# KiCad board Rotonometron_PCB.kicad_pcb (continued)
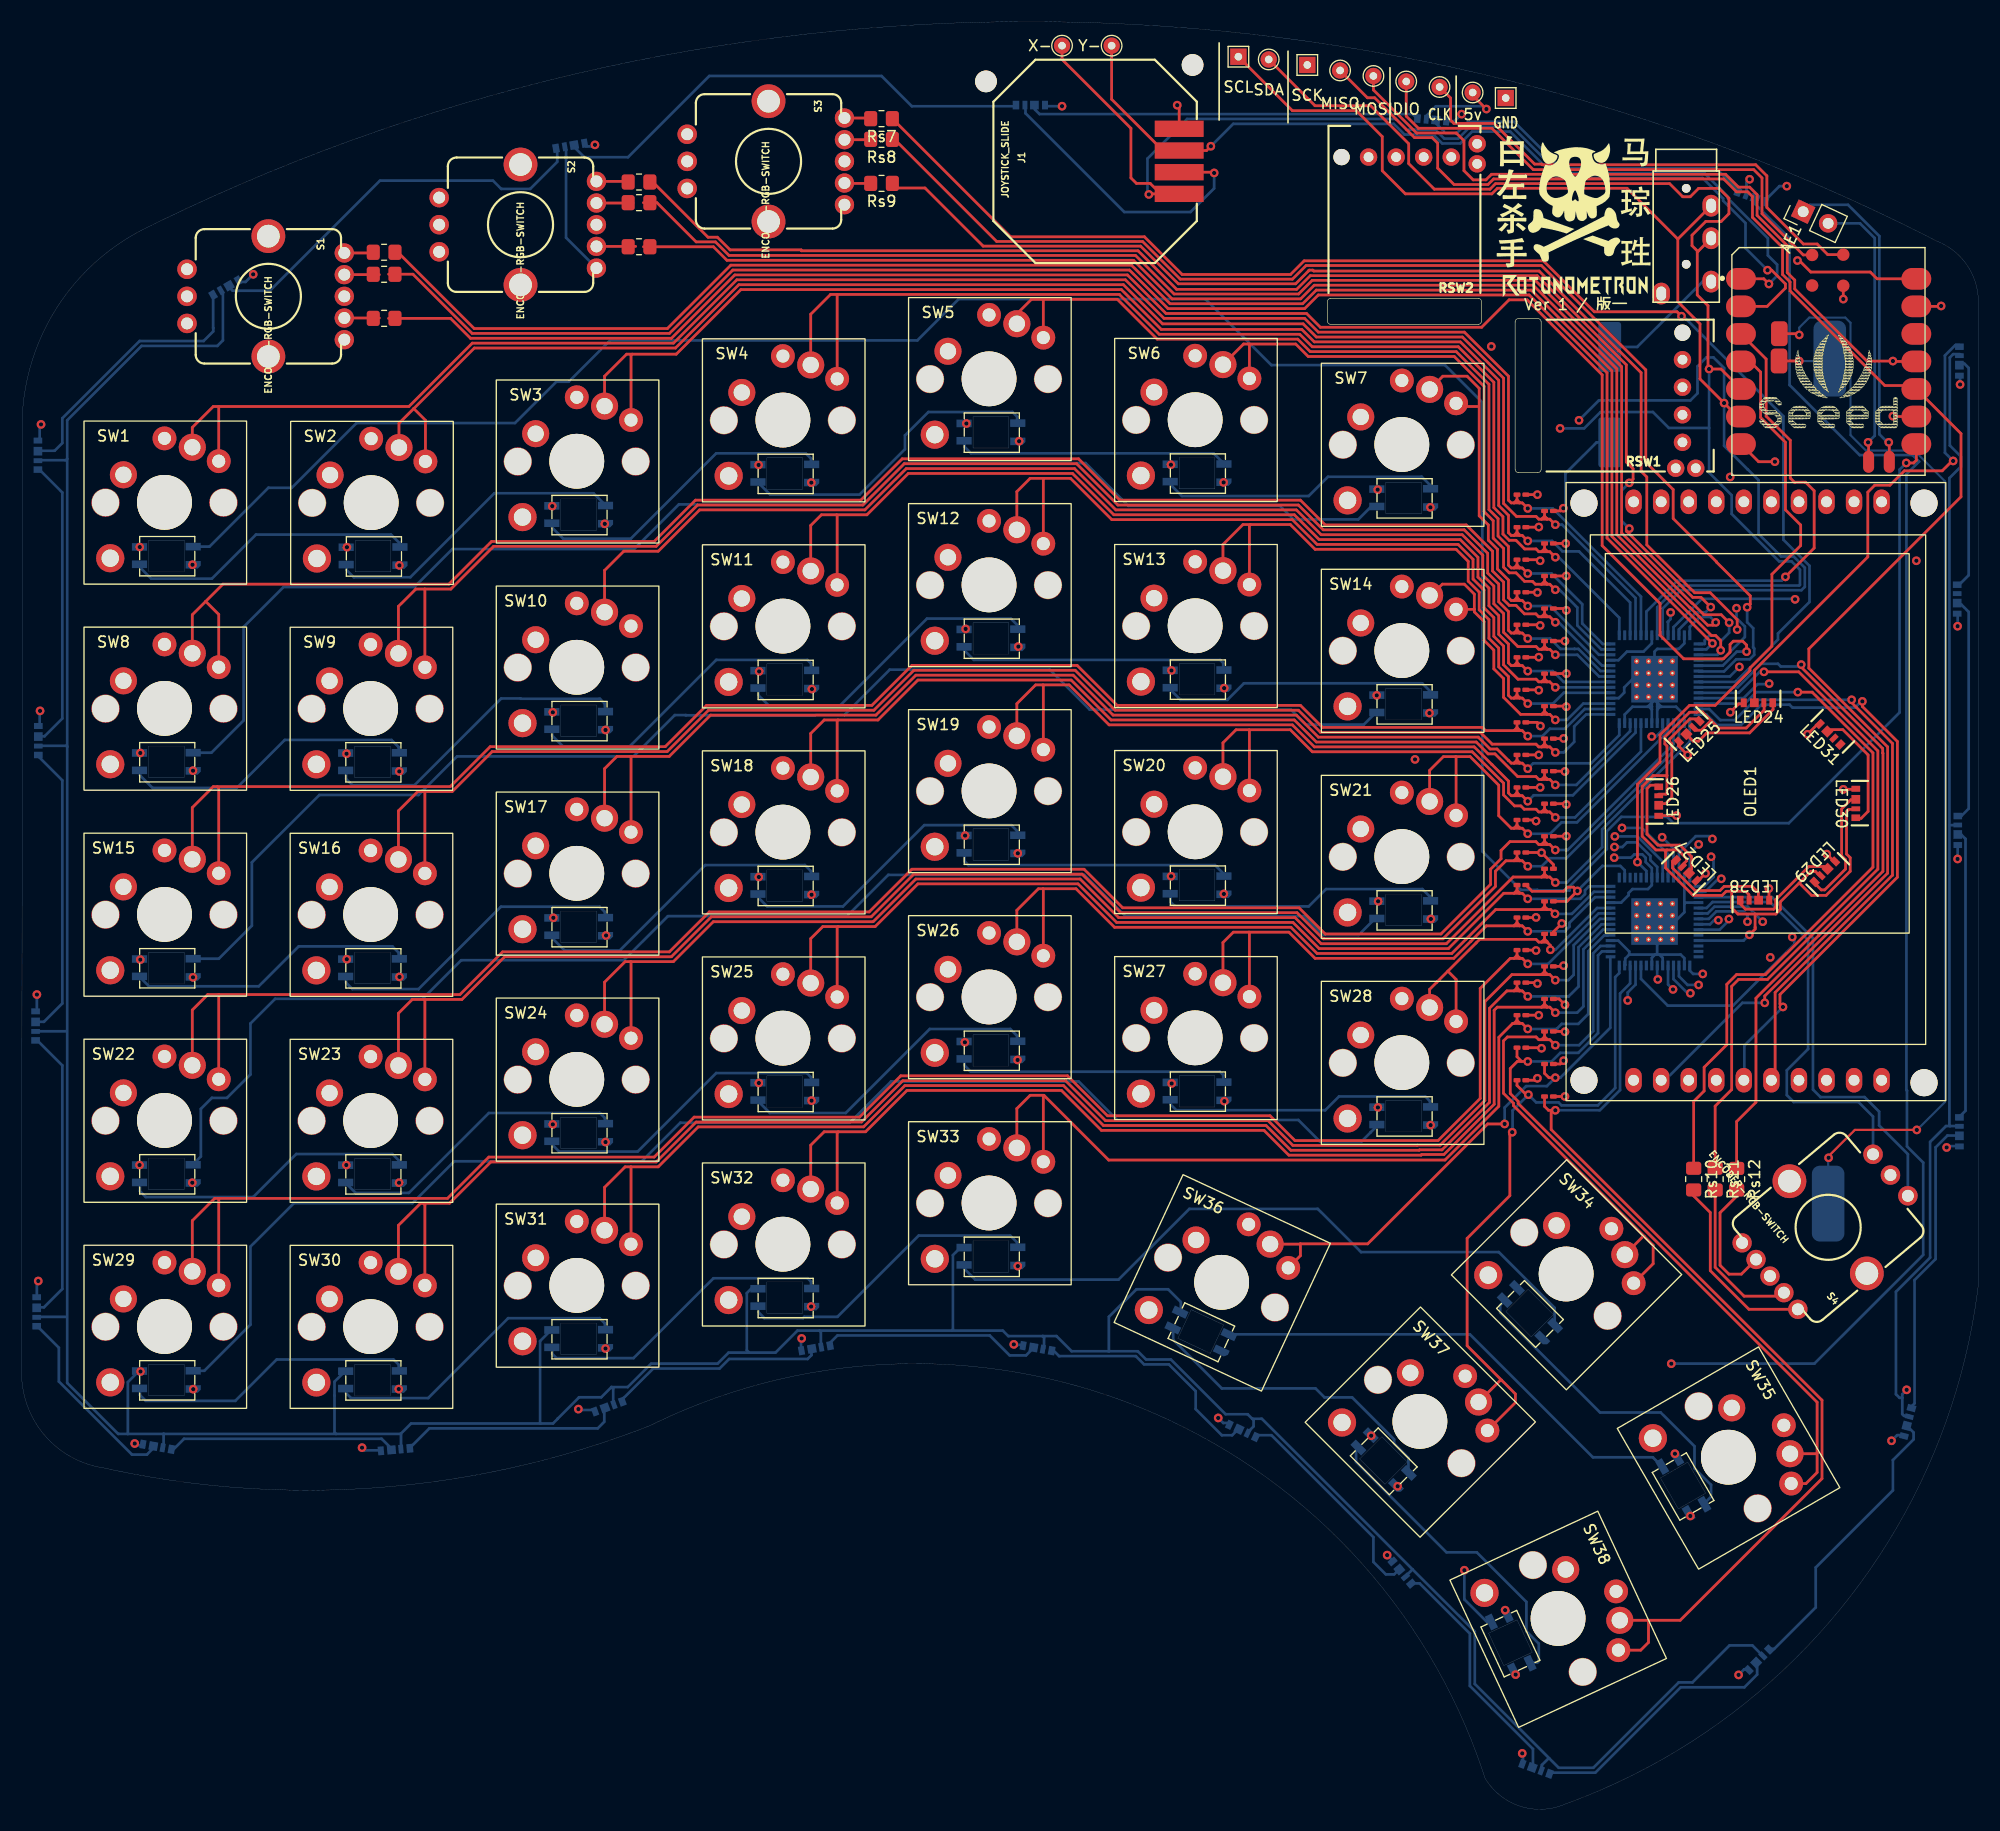
[diagram p0: board, top side]
## Nets
GND: C1.2 GND.1 J1.GND LED1.1 LED2.1 LED3.1 LED4.1 LED5.1 LED6.1 LED7.1 LED8.1 LED9.1 LED10.1 LED11.1 LED12.1 LED13.1 LED14.1 LED15.1 LED16.1 LED17.1 LED18.1 LED19.1 LED20.1 LED21.1 LED22.1 LED23.1 LED24.1 LED25.1 LED26.1 LED27.1 LED28.1 LED29.1 LED30.1 LED31.1 OLED1.10 R1.1 R2.1 R3.1 R4.1 R5.1 R6.1 R7.1 R8.1 R9.1 R10.1 R11.1 R12.1 R13.1 R14.1 R15.1 R16.1 R17.1 R18.1 R19.1 R20.1 R21.1 R22.1 R23.1 R24.1 R25.1 R26.1 R27.1 R28.1 R29.1 R30.1 R31.1 R32.1 R33.1 R34.1 R35.1 R36.1 R37.1 R38.1 RSW1.C RSW2.C S1.C S2.C S3.C S4.C TRRS1.S U1.4 U1.16 U1.21 U1.22 U1.27 U1.32 U1.44 U1.55 U1.57 U2.4 U2.16 U2.20 U2.22 U2.27 U2.32 U2.44 U2.55 U2.57 U3.13 U3.20
Bat +: BT1.+ U3.22
Bat -: BT1.- U3.21
BL: OLED1.9 U1.52
BUSPWR: 5v.1 C1.1 J1.VCC LED1.3 LED2.3 LED3.3 LED4.3 LED5.3 LED6.3 LED7.3 LED8.3 LED9.3 LED10.3 LED11.3 LED12.3 LED13.3 LED14.3 LED15.3 LED16.3 LED17.3 LED18.3 LED19.3 LED20.3 LED21.3 LED22.3 LED23.3 LED24.3 LED25.3 LED26.3 LED27.3 LED28.3 LED29.3 LED30.3 LED31.3 OLED1.1 RSW1.S2 RSW2.S2 S1.5 S2.5 S3.5 S4.5 SW1.1 SW1.3 SW2.1 SW2.3 SW3.1 SW3.3 SW4.1 SW4.3 SW5.1 SW5.3 SW6.1 SW6.3 SW7.1 SW7.3 SW8.1 SW8.3 SW9.1 SW9.3 SW10.1 SW10.3 SW11.1 SW11.3 SW12.1 SW12.3 SW13.1 SW13.3 SW14.1 SW14.3 SW15.1 SW15.3 SW16.1 SW16.3 SW17.1 SW17.3 SW18.1 SW18.3 SW19.1 SW19.3 SW20.1 SW20.3 SW21.1 SW21.3 SW22.1 SW22.3 SW23.1 SW23.3 SW24.1 SW24.3 SW25.1 SW25.3 SW26.1 SW26.3 SW27.1 SW27.3 SW28.1 SW28.3 SW29.1 SW29.3 SW30.1 SW30.3 SW31.1 SW31.3 SW32.1 SW32.3 SW33.1 SW33.3 SW34.1 SW34.3 SW35.1 SW35.3 SW36.1 SW36.3 SW37.1 SW37.3 SW38.1 SW38.3 TRRS1.T U1.11 U1.20 U1.39 U1.49 U2.11 U2.21 U2.39 U2.49 U3.14
CS-LD: OLED1.5 U1.14
CS-SD: OLED1.6 U1.13
D/C-LD: OLED1.7 U3.7
Int 1: U1.48 U3.3
Int 2: U2.48 U3.4
Joy X: J1.X U3.1 X-.1
Joy Y: J1.Y U3.2 Y-.1
LED control: U3.8
LEDOUT: LED31.4
MISO: MISO.1 OLED1.2 U3.10
MOSI: MOSI.1 OLED1.4 U3.11
OLED RST: OLED1.8 U1.53
Rot 0 A: S1.A U2.52
Rot 0 B: S1.B U2.53
Rot 0 G: Rs2.1 U1.2
Rot 0 R: Rs1.1 U1.3
Rot 0 U: Rs3.1 U1.5
Rot 1 A: S2.A U2.54
Rot 1 B: S2.B U2.56
Rot 1 G: Rs6.1 U1.56
Rot 1 R: Rs4.1 U1.54
Rot 1 U: Rs5.1 U1.1
Rot 2 A: S3.A U2.1
Rot 2 B: S3.B U2.2
Rot 2 G: Rs9.1 U1.7
Rot 2 R: Rs7.1 U1.8
Rot 2 U: Rs8.1 U1.6
Rot 3 A: S4.A U2.3
Rot 3 B: S4.B U2.5
Rot 3 G: Rs11.1 U1.10
Rot 3 R: Rs10.1 U1.12
Rot 3 U: Rs12.1 U1.9
Rot 4 A: RSW1.A U2.6
Rot 4 B: RSW1.B U2.7
Rot 5 A: RSW2.A U2.8
Rot 5 B: RSW2.B U2.9
RSw 0: S1.3 U2.15
RSw 1: S2.3 U2.17
RSw 2: S3.3 U2.18
RSw 3: S4.3 U2.19
RSw 4: RSW1.S1 U2.24
RSw 5: RSW2.S1 U2.25
SCK: OLED1.3 SCK.1 U3.9
SCL: SCL.1 TRRS1.R2 U1.51 U2.51 U3.6
SDA: SDA.1 TRRS1.R1 U1.50 U2.50 U3.5
Sw 1: R1.2 SW1.2 U1.47
Sw 2: R2.2 SW2.2 U1.46
Sw 3: R3.2 SW3.2 U1.45
Sw 4: R4.2 SW4.2 U1.43
Sw 5: R5.2 SW5.2 U1.42
Sw 6: R6.2 SW6.2 U1.41
Sw 7: R7.2 SW7.2 U1.40
Sw 8: R8.2 SW8.2 U1.38
Sw 9: R9.2 SW9.2 U1.37
Sw 10: R10.2 SW10.2 U1.36
Sw 11: R11.2 SW11.2 U1.35
Sw 12: R12.2 SW12.2 U1.34
Sw 13: R13.2 SW13.2 U1.33
Sw 14: R14.2 SW14.2 U1.31
Sw 15: R15.2 SW15.2 U1.30
Sw 16: R16.2 SW16.2 U1.29
Sw 17: R17.2 SW17.2 U1.28
Sw 18: R18.2 SW18.2 U1.26
Sw 19: R19.2 SW19.2 U1.25
Sw 20: R20.2 SW20.2 U1.24
Sw 21: R21.2 SW21.2 U1.19
Sw 22: R22.2 SW22.2 U1.18
Sw 23: R23.2 SW23.2 U1.17
Sw 24: R24.2 SW24.2 U1.15
Sw 25: R25.2 SW25.2 U2.42
Sw 26: R26.2 SW26.2 U2.41
Sw 27: R27.2 SW27.2 U2.40
Sw 28: R28.2 SW28.2 U2.38
Sw 29: R29.2 SW29.2 U2.37
Sw 30: R30.2 SW30.2 U2.36
Sw 31: R31.2 SW31.2 U2.35
Sw 32: R32.2 SW32.2 U2.34
Sw 33: R33.2 SW33.2 U2.33
Sw 34: R34.2 SW34.2 U2.31
Sw 35: R35.2 SW35.2 U2.30
Sw 36: R36.2 SW36.2 U2.29
Sw 37: R37.2 SW37.2 U2.28
Sw 38: R38.2 SW38.2 U2.26
SWCLK: CLK.1 U3.18
SWDIO: DIO.1 U3.17
Net-(AE1-Pad1): AE1.1 U3.16
Net-(AE1-Pad2): AE1.2 U3.15
Net-(LED1-Pad2): LED1.2
Net-(LED1-Pad4): LED1.4 LED2.2
Net-(LED2-Pad4): LED2.4 LED3.2
Net-(LED3-Pad4): LED3.4 LED4.2
Net-(LED4-Pad4): LED4.4 LED5.2
Net-(LED5-Pad4): LED5.4 LED6.2
Net-(LED6-Pad4): LED6.4 LED7.2
Net-(LED7-Pad4): LED7.4 LED8.2
Net-(LED8-Pad4): LED8.4 LED9.2
Net-(LED10-Pad2): LED9.4 LED10.2
Net-(LED10-Pad4): LED10.4 LED11.2
Net-(LED11-Pad4): LED11.4 LED12.2
Net-(LED12-Pad4): LED12.4 LED13.2
Net-(LED13-Pad4): LED13.4 LED14.2
Net-(LED14-Pad4): LED14.4 LED15.2
Net-(LED15-Pad4): LED15.4 LED16.2
Net-(LED16-Pad4): LED16.4 LED17.2
Net-(LED17-Pad4): LED17.4 LED18.2
Net-(LED18-Pad4): LED18.4 LED19.2
Net-(LED19-Pad4): LED19.4 LED20.2
Net-(LED20-Pad4): LED20.4 LED21.2
Net-(LED21-Pad4): LED21.4 LED22.2
Net-(LED22-Pad4): LED22.4 LED23.2
Net-(LED23-Pad4): LED23.4 LED24.2
Net-(LED24-Pad4): LED24.4 LED25.2
Net-(LED25-Pad4): LED25.4 LED26.2
Net-(LED26-Pad4): LED26.4 LED27.2
Net-(LED27-Pad4): LED27.4 LED28.2
Net-(LED28-Pad4): LED28.4 LED29.2
Net-(LED29-Pad4): LED29.4 LED30.2
Net-(LED30-Pad4): LED30.4 LED31.2
Net-(Rs1-Pad2): Rs1.2 S1.1
Net-(Rs2-Pad2): Rs2.2 S1.2
Net-(Rs3-Pad2): Rs3.2 S1.4
Net-(Rs4-Pad2): Rs4.2 S2.1
Net-(Rs5-Pad2): Rs5.2 S2.2
Net-(Rs6-Pad2): Rs6.2 S2.4
Net-(Rs7-Pad2): Rs7.2 S3.1
Net-(Rs8-Pad2): Rs8.2 S3.2
Net-(Rs9-Pad2): Rs9.2 S3.4
Net-(Rs10-Pad2): Rs10.2 S4.1
Net-(Rs11-Pad2): Rs11.2 S4.2
Net-(Rs12-Pad2): Rs12.2 S4.4

Pads without a net: OLED1 11 12 13 14 15 16 17 18 19 20; RSW1 D; RSW2 D; S1 M1 M2; S2 M1 M2; S3 M1 M2; S4 M1 M2; SW1 5v DIN DOUT GND; SW2 5v DIN DOUT GND; SW3 5v DIN DOUT GND; SW4 5v DIN DOUT GND; SW5 5v DIN DOUT GND; SW6 5v DIN DOUT GND; SW7 5v DIN DOUT GND; SW8 5v DIN DOUT GND; SW9 5v DIN DOUT GND; SW10 5v DIN DOUT GND; SW11 5v DIN DOUT GND; SW12 5v DIN DOUT GND; SW13 5v DIN DOUT GND; SW14 5v DIN DOUT GND; SW15 5v DIN DOUT GND; SW16 5v DIN DOUT GND; SW17 5v DIN DOUT GND; SW18 5v DIN DOUT GND; SW19 5v DIN DOUT GND; SW20 5v DIN DOUT GND; SW21 5v DIN DOUT GND; SW22 5v DIN DOUT GND; SW23 5v DIN DOUT GND; SW24 5v DIN DOUT GND; SW25 5v DIN DOUT GND; SW26 5v DIN DOUT GND; SW27 5v DIN DOUT GND; SW28 5v DIN DOUT GND; SW29 5v DIN DOUT GND; SW30 5v DIN DOUT GND; SW31 5v DIN DOUT GND; SW32 5v DIN DOUT GND; SW33 5v DIN DOUT GND; SW34 5v DIN DOUT GND; SW35 5v DIN DOUT GND; SW36 5v DIN DOUT GND; SW37 5v DIN DOUT GND; SW38 5v DIN DOUT GND; U1 23 ~; U2 10 12 13 14 23 43 45 46 47 ~; U3 12 19

## Via types
v1: diameter 0.8, hole 0.4, Top to Bottom, 256 vias

## Routing (per net, layer and track width the routed paths; a pad name or vN(x,y) marks a point on that pad's centre or on a via; arc(x,y) is an arc through that point)
GND: length 159.3
  Top w0.25: R23.1 140.06,88.23 v1(140.08,88.21) 141.18,87.12 R24.1 ; v1(139.83,103.2) 139.8,103.23 R13.1 ; v1(139.58,79.2) 139.54,79.23 R29.1 ; R14.1 142.31,101.73 v1(142.37,101.68) ; v1(142.24,95.71) 142.22,95.73 R18.1 ; v1(142.37,113.74) 142.36,113.73 R6.1 ; 165.46,100.01 v1(164.59,99.14) ; v1(139.58,91.14) 139.48,91.23 R21.1 ; v1(139.98,99.9) 139.69,100.19 139.69,100.23 R15.1 ; v1(142.24,71.7) 142.21,71.73 R34.1 ; v1(167.9,94.06) 167.9,94.06 168.92,94.06 ; R25.1 139.21,84.66 142.12,84.66 142.5,85.04 143.03,85.04 v1(143.39,84.69) 142.43,83.73 R26.1 ; R4.1 142.31,116.73 v1(142.31,116.73) ; R3.1 139.82,118.23 v1(139.83,118.25) ; v1(167.9,139.27) 167.89,139.27 U3.20 ; R31.1 139.62,76.23 v1(139.7,76.15) ; v1(153.55,97.23) 152.7,98.07 152.7,98.48 ; v1(142.24,74.19) 141.7,74.73 R32.1 ; v1(141.95,81.69) 141.18,80.92 R28.1 ; v1(161.04,84.91) 161.04,84.91 161.04,83.89 ; R20.1 142.29,92.73 v1(142.37,92.66) ; R35.1 140.03,70.23 v1(140.08,70.18) ; R9.1 139.89,109.23 v1(139.96,109.17) ; U3.13 176.88,138.6 v1(176.91,138.63) ; v1(142.09,119.98) 141.84,119.73 R2.1 ; v1(139.58,82.25) 139.56,82.23 R27.1 ; R22.1 142.37,89.73 v1(142.37,89.74) ; R7.1 139.69,112.23 v1(139.7,112.22) ; v1(139.7,67.41) 139.52,67.23 R37.1 ; v1(142.24,107.73) 142.24,107.73 R10.1 ; v1(142.12,77.8) 142.05,77.73 R30.1 ; R33.1 139.82,73.23 v1(139.83,73.23) ; 154.61,85.72 v1(155.2,86.31) ; R16.1 142.09,98.73 v1(142.12,98.76) ; v1(142.24,65.74) 142.24,65.73 R38.1 ; R11.1 139.82,106.23 v1(139.83,106.25) ; v1(157.48,101.17) 158.25,101.94 158.75,101.94 ; v1(142.37,110.57) 142.2,110.73 R8.1 ; J1.GND 106.69,156.97 v1(106.5,157.15) ; R1.1 v1(139.7,121.23) ; v1(142.37,104.73) 142.37,104.73 R12.1 ; v1(152.53,91.64) 150.99,91.64 ; 167.09,87.37 v1(166.37,88.09) ; v1(139.96,115.14) 139.86,115.23 R5.1 ; v1(142.12,69.04) 141.81,68.73 R36.1 ; v1(139.83,97.23) 139.83,97.23 R17.1 ; R19.1 v1(139.96,94.23)
  Bottom w0.25: 150.94,78.82 151.25,78.52 U2.20 ; v1(132.72,156.32) 132.07,155.67 131.29,155.67 ; 150.25,101.43 150.25,101.67 ; 150.25,101.43 U1.22 ; 150.25,101.43 150.24,101.43 149.93,101.74 ; 150.25,101.67 150.25,102.05 ; 150.25,101.67 150.24,101.68 149.87,101.68 ; U2.22 150.25,78.52 150.55,78.82 ; 149.87,101.68 150.5,102.3 151.13,101.68 ; 149.87,101.68 148.47,101.68 147.75,100.96 U1.27 ; 152.38,81.86 153.25,82.73 153.25,83.51 ; 71.83,42.52 71.83,43.37 v1(71.89,43.42) ; v1(1.53,48.72) 1.4,48.59 1.4,47.27 ; v1(51.31,36.91) 51.39,36.82 52.78,36.82 ; 151.13,101.68 152.48,101.68 153.25,100.91 U1.16 ; 151.13,101.68 151.12,101.67 151,101.67 ; v1(142.09,119.98) 142.28,120.17 142.28,123.18 145.15,126.05 C1.2 ; 111.4,35.63 110.75,35.63 v1(110.28,36.09) ; v1(178.43,87.64) 178.44,87.65 178.44,88.9 ; U1.21 150.75,101.43 ; 150.75,101.43 150.75,101.67 ; 150.75,101.43 150.76,101.43 151,101.67 ; 11.26,33.56 10.59,33.56 v1(10.42,33.73) ; 33.12,33.1 31.62,33.1 v1(31.37,33.35) ; v1(162.69,149.68) 162.01,149.68 160.71,148.39 ; v1(158.24,12.4) 158.75,12.9 159.11,12.9 ; 148.17,78.82 152.91,78.82 153.25,78.49 U2.16 ; 148.17,78.82 148.17,79.1 147.15,80.11 U2.32 ; 148.17,78.82 147.8,78.45 147.8,77.86 U2.27 ; 153.25,83.51 153.36,83.61 U2.4 ; 153.25,83.51 U2.55 ; 150.75,101.67 150.75,102.05 ; 150.75,101.67 151,101.67 ; v1(91.44,42.88) 91.49,42.83 92.41,42.83 ; 94.37,157.05 v1(95.89,157.05) ; 1.65,99.93 1.65,101.26 v1(1.69,101.3) ; U1.4 156.68,105.97 158.82,108.1 158.82,109.08 158.05,109.85 v1(158.05,110.76) ; U2.44 147.75,86.6 147.35,87 145.69,87 v1(143.39,84.69) ; 126.34,22.95 v1(125.86,23.44) ; 52,153.34 52.69,153.34 v1(52.83,153.49) ; 178.44,110.11 178.44,109.11 v1(178.43,109.1) ; v1(177.42,61.04) 177.54,61.16 178.57,61.16 ; 138.38,4.29 138.38,5.08 v1(138.31,5.16) ; U1.55 153.25,107.52 152.74,107.01 150.75,107.01 150.5,106.76 150.5,106.13 ; 150.5,79.98 150.74,79.74 150.74,78.9 150.66,78.82 ; U1.32 147.19,102.47 147.7,102.98 147.7,103.45 148.47,104.22 148.59,104.22 ; v1(178.66,131.39) 178.66,132.34 ; v1(172.34,33.99) 172.86,34.5 173.43,34.5 ; 1.65,126.26 1.65,127.58 v1(1.78,127.71) ; v1(21.34,141.55) 20.64,140.85 19.96,140.85 ; 1.4,73.6 v1(1.4,75.13)
  vias: v1(15.74,114.77) v1(15.72,57.78) v1(15.79,95.78) v1(15.79,76.72) v1(15.81,38.74) v1(34.75,38.75) v1(34.81,114.71) v1(34.8,95.71) v1(34.82,76.76) v1(34.78,57.78) v1(53.74,118.54) v1(53.81,99.53) v1(53.86,80.58) v1(53.81,61.53) v1(53.81,42.49) v1(72.76,46.36) v1(72.78,122.34) v1(72.83,103.3) v1(72.8,84.34) v1(72.8,65.35) v1(91.81,88.16) v1(91.79,69.1) v1(91.81,50.09) v1(91.93,126.16) v1(91.86,107.22) v1(110.78,122.36) v1(110.83,103.39) v1(110.8,84.41) v1(110.85,65.3) v1(126.82,29.79) v1(129.75,101.09) v1(129.84,120.06) v1(129.88,82.1) v1(129.86,63.09) v1(137.7,12.42) v1(153.8,27.05)
Bat +: length 4.8
  Top w0.25: U3.22 163.82,133.56 v1(163.83,133.55)
  Bottom w0.2: BT1.+ 166.42,133.55 v1(163.83,133.55)
Bat -: length 103.1
  Top w0.2: v1(174.67,62.65) 168.96,62.65 166.54,60.23 v1(166.54,60.08)
  Top w0.25: U3.21 163.72,136.08 v1(163.83,135.97)
  Bottom w0.2: BT1.- 166.5,60.04 v1(166.54,60.08) ; v1(174.67,62.65) 174.69,62.65 177.27,65.23 177.27,122.47 174.44,125.3 169.98,125.3 168.56,126.72 168.56,137.08 168.08,137.56 164.76,137.56 163.83,136.63 v1(163.83,135.97)
BL: length 53.5
  In1.Cu w0.25: v1(151.98,110.37) 152.72,110.37 154.31,108.79 154.31,103.32 161.93,95.7 161.93,79.32 v1(161.17,78.56)
  In2.Cu w0.25: 168.94,67.31 168.94,70.92 161.29,78.56 v1(161.17,78.56)
  Bottom w0.25: v1(151.98,110.37) 151.98,109.76 151.72,109.5 151.75,109.47 U1.52
BUSPWR: length 873.2
  Top w0.25: 151.64,88.47 152.66,88.47 153.44,87.68 153.44,87.45 153.02,87.03 ; 151.64,88.47 150.62,88.47 149.35,89.74 149.35,94.31 150.37,95.33 151.64,95.33 ; 151.64,88.47 151.51,88.34 151.51,86.82 154.05,84.28 156.72,84.28 157.1,84.66 157.61,84.66 ; 154.01,99.79 154.29,99.51 154.81,99.51 155.7,100.41 ; 157.61,84.66 157.61,83.13 158.19,82.56 161.67,82.56 162.09,82.98 162.09,83.68 163.83,85.42 ; 157.61,84.66 158.88,84.66 159.19,84.34 159.19,83.89 ; 155.7,100.41 156.4,99.71 158.95,99.71 160.6,101.36 160.6,101.94 ; 155.7,100.41 154.92,101.19 154.39,101.19 154.37,101.17 153.73,101.17 151.45,98.89 151.45,98.25 151.64,98.06 151.64,95.33 ; 159.77,82.56 159.77,81.33 159.77,81.32 159.77,81.18 v1(159.24,80.65) ; 163.83,85.42 164.9,86.49 165.33,86.49 165.78,86.04 ; 163.83,85.42 164.98,84.28 166.31,84.28 168.53,86.5 168.53,87.76 168.19,88.09 168.19,92.01 168.39,92.21 168.92,92.21 ; 151.64,95.33 151.64,93.68 151.58,93.62 150.87,93.62 ; J1.VCC 109.84,150.97 v1(109.91,150.9) ; v1(135,156.79) 134.99,156.79 133.73,158.05 ; U3.14 171.01,141.14 170.38,141.76 164.9,141.76 163.84,142.82 v1(163.67,142.82)
  In2.Cu w0.25: 135.51,152.22 135.03,151.74 RSW2.S2 ; 135.51,152.22 135.77,152.48 135.77,156.06 135.03,156.79 v1(135,156.79) ; 135.51,152.22 137.42,150.32 157.74,150.32 ; 13.21,72.34 13.16,72.29 SW22.1 ; 13.21,72.34 11.18,72.34 9.37,70.53 SW22.1 ; 13.21,72.34 28.32,72.34 ; SW23.1 28.37,72.29 28.32,72.34 ; SW24.1 51.16,75.87 51.31,76.02 ; SW28.1 125.56,76.4 123.45,76.4 ; 66.55,79.83 66.37,79.66 SW25.1 ; 66.55,79.83 63.88,79.83 60.07,76.02 51.31,76.02 ; 66.55,79.83 70.23,79.83 ; 28.32,72.34 32.26,72.34 ; 32.26,72.34 40.39,72.34 44.07,76.02 47.25,76.02 ; 32.26,72.34 32.16,72.24 SW23.1 ; 85.35,82.63 83.19,82.63 80.39,79.83 70.23,79.83 ; 85.35,82.63 89.03,82.63 ; 85.35,82.63 85.37,82.6 SW26.1 ; 51.31,76.02 47.25,76.02 ; SW27.1 108.16,78.51 108.21,78.56 ; 89.03,82.63 89.16,82.49 SW26.1 ; 89.03,82.63 96.01,82.63 100.08,78.56 104.4,78.56 ; SW27.1 104.37,78.54 104.4,78.56 ; 108.21,78.56 117.99,78.56 120.14,76.4 123.45,76.4 ; 108.21,78.56 104.4,78.56 ; SW24.1 47.37,75.9 47.25,76.02 ; 70.23,79.83 70.16,79.76 SW25.1 ; 157.74,142.82 157.74,150.32 ; 157.74,142.82 156.97,142.82 155.72,141.57 ; 157.74,142.82 v1(163.67,142.82) ; 157.74,150.32 v1(159.26,150.32) ; 123.45,76.4 123.42,76.38 SW28.1
  Bottom w0.25: 4.19,97.99 4.19,39.32 8.89,34.62 9.78,34.62 ; 4.19,97.99 4.11,98.08 1.65,98.08 ; 4.19,97.99 4.19,124.54 ; v1(150.8,76.53) 150.75,76.59 U2.21 ; 67.06,42.11 65.15,42.11 64.14,41.1 58.02,41.1 55.86,38.94 54.36,38.94 ; 67.06,42.11 69.47,42.11 71.5,44.15 73.54,44.15 ; 67.06,42.11 66.83,42.34 66.83,47.6 67.23,48 67.92,48 ; 113.41,36.02 113,36.43 110.97,36.43 105.92,41.48 103.63,41.48 102.87,42.24 100.21,42.24 ; 113.41,36.02 113.54,35.89 113.54,35.31 113.08,34.84 ; 113.41,36.02 114.3,36.02 128.21,22.11 ; v1(161.06,103.81) 161.01,103.76 160,103.76 158.71,102.47 U1.11 ; 28.96,34.62 13.08,34.62 ; 28.96,34.62 34.93,34.62 ; 28.96,34.62 28.83,34.75 28.83,38.15 28.83,38.15 28.83,39.43 29.8,40.4 ; 13.08,34.62 9.78,34.62 ; 13.08,34.62 13.08,34.62 13.08,33.24 ; C1.1 148.9,134.85 154.93,140.88 TRRS1.T ; 1.4,45.42 4.07,45.42 ; 34.93,34.62 35.89,35.58 47.82,35.58 ; 34.93,34.62 34.96,34.59 34.96,33.27 ; 47.82,35.58 48.97,35.58 49.41,36.02 49.41,36.03 51.37,37.99 53.41,37.99 54.36,38.94 ; 47.82,35.58 47.78,35.62 47.78,43.18 48.8,44.2 ; 4.02,71.75 1.4,71.75 ; 173.33,37.95 173.33,36.45 173.49,36.29 173.91,36.29 ; 173.33,37.95 173.33,38.28 v1(173.74,38.68) ; 173.33,37.95 173.08,37.95 172.75,38.28 172.75,47.73 175.9,50.88 175.9,61.54 177.36,63.01 177.74,63.01 ; 85.73,44.15 73.54,44.15 ; 85.73,44.15 85.83,44.25 85.83,51.11 86.53,51.8 ; 85.73,44.15 90.43,44.15 90.93,43.64 94.11,43.64 ; 73.54,44.15 73.66,44.03 73.66,42.84 ; 100.21,42.24 96.78,42.24 95.38,43.64 94.11,43.64 ; 100.21,42.24 100.21,45.42 102.75,47.96 105.67,47.96 106.83,46.79 106.83,45.82 ; 140.78,4.71 133.93,11.56 133.93,16.39 128.21,22.11 ; 140.78,4.71 140.74,4.71 140.12,4.09 140.12,3.66 ; 140.78,4.71 141.67,3.83 144.85,3.83 152.72,11.7 154,11.7 157.41,15.11 159.51,15.11 160.42,14.21 ; v1(135,156.79) 134.75,157.05 130.35,157.05 129.44,156.14 129.44,155.84 ; 94.11,43.64 94.23,43.51 94.23,42.51 ; 9.78,34.62 9.79,34.62 9.79,39.4 10.8,40.41 ; 1.65,124.41 4.07,124.41 4.19,124.54 ; U1.39 147.17,105.97 147.96,106.76 149.48,106.76 150.25,107.52 U1.49 ; U2.11 158.71,80.11 v1(159.24,80.65) ; v1(159.26,150.32) 158.97,150.03 158.97,149.02 ; 54.36,38.94 54.52,38.78 54.52,37.46 ; 4.19,124.54 4.19,128.09 11.05,134.95 18.04,134.95 18.54,135.46 18.54,139.74 ; 177.74,63.01 178.57,63.01 ; 177.74,63.01 177.68,63.07 177.68,90.75 ; 178.44,90.75 177.68,90.75 ; 177.68,90.75 177.68,122.76 178.75,123.83 178.75,124.74 177.71,125.77 177.71,133.88 178.02,134.19 178.66,134.19 ; v1(146.78,87.76) 148.34,87.76 148.63,88.06 149.37,88.06 149.68,87.74 149.68,87.36 150.25,86.79 U2.49 150.25,85.22 149.89,84.86 148.47,84.86 148.11,84.51 148.11,84.3 147.42,83.61 U2.39 ; S2.5 50.17,144.93 50.17,153.02 ; v1(109.91,150.9) 109.91,149.48 107.72,147.29 101.63,147.29 92.52,156.4 92.52,157.05 ; 128.21,22.11 128.18,22.11 127.53,21.47 ; v1(150.24,98.92) 150.63,98.92 151.25,99.55 U1.20
  vias: v1(10.86,59.41) v1(10.88,116.4) v1(10.93,97.41) v1(10.93,78.35) v1(10.95,40.37) v1(29.94,97.34) v1(29.92,59.41) v1(29.97,116.39) v1(29.96,78.39) v1(48.9,120.17) v1(48.95,101.16) v1(48.95,63.16) v1(49,82.21) v1(67.92,123.97) v1(67.94,85.97) v1(67.94,66.98) v1(67.97,104.93) v1(86.95,89.79) v1(86.93,70.73) v1(87,108.85) v1(87.07,127.79) v1(105.92,123.99) v1(105.94,86.04) v1(105.97,105.02) v1(105.99,66.93) v1(124.38,34.45) v1(124.89,102.72) v1(124.98,121.69) v1(125.02,83.73) v1(125,64.72) v1(136.73,18.36) v1(152.38,32.79)
CS-LD: length 58.9
  Top w0.25: v1(162.34,73.99) 162.06,74.27 162.06,75.14 172.88,85.96 172.88,98.47 169.65,101.7 v1(169.65,102.17)
  Bottom w0.25: v1(169.65,102.17) 169.54,102.17 168.96,101.59 163.22,101.59 162.94,101.87 160.34,101.87 158.47,99.99 156.24,99.99 155.27,100.97 U1.14 ; 158.78,67.31 158.78,70.43 v1(162.34,73.99)
CS-SD: length 56.1
  Top w0.25: 161.61,67.6 161.61,75.32 172.43,86.14 172.43,98.29 168.66,102.05 v1(168.66,102.32)
  Bottom w0.25: U1.13 155.53,101.47 156.56,100.44 157.9,100.44 159.77,102.32 v1(168.66,102.32)
D/C-LD: length 78.3
  Top w0.25: v1(161.59,124.27) 160.09,124.27 U3.7
  In1.Cu w0.25: v1(174.63,115.14) 171.07,118.69 168.28,118.69 167.77,119.2 167.77,122.25 165.74,124.28 161.6,124.28 v1(161.59,124.27)
  In2.Cu w0.25: v1(174.63,115.14) 174.63,104.37 167.14,96.89 167.14,91.13 168,90.27 168,87.04 160.4,79.45 160.4,78.3 163.86,74.85 163.86,67.31
Int 1: length 43.2
  Top w0.25: v1(162.56,113.65) 162.56,113.66 165.21,116.31 165.21,121.59 164.42,122.38 163.39,122.38 163.01,122.76 163.01,126.25 160.78,128.47 160.78,133.74 U3.3
  Bottom w0.25: U1.48 149.75,110.45 152.6,113.3 162.21,113.3 v1(162.56,113.65)
Int 2: length 57.5
  Top w0.25: 159.3,133.52 160.28,132.54 160.28,128.35 162.56,126.06 162.56,119.84 163.97,118.43 163.97,116.54 161.32,113.89 161.32,107.26 159.29,105.24 159.29,105.01 156.09,101.8 153.73,101.8 151,99.08 151,96.59 148.92,94.52 148.92,87.35 v1(148.92,87.35)
  Bottom w0.25: U2.48 149.75,86.53 v1(148.92,87.35)
Joy X: length 96.3
  Top w0.25: X-.1 95.89,161.37 102.24,155.02 102.24,150.44 102.75,149.94 104.02,149.94 104.98,148.97 ; v1(103.89,148.92) 103.94,148.97 J1.X ; v1(161.04,140.67) 160.57,141.14 U3.1
  Bottom w0.25: v1(103.89,148.92) 103.76,149.05 103.76,152.22 107.42,155.88 126.65,155.88 127.64,154.89 130.3,154.89 131.12,154.07 132.4,154.07 133.5,155.16 137.38,155.16 141.66,150.88 155.09,150.88 157.25,148.72 157.25,148.57 160.94,144.88 160.94,143.3 161.8,142.44 161.8,141.43 v1(161.04,140.67)
Joy Y: length 82.2
  Top w0.25: v1(109.6,153.37) 109.2,152.97 J1.Y ; 105.19,152.97 100.46,157.69 Y-.1 ; U3.2 160.88,138.6 162.56,140.28 162.56,140.67 161.29,141.94 v1(160.91,141.94)
  Bottom w0.25: v1(109.6,153.37) 111.67,155.43 126.46,155.43 127.45,154.44 130.11,154.44 130.93,153.62 132.59,153.62 133.68,154.71 137.19,154.71 141.47,150.43 154.93,150.43 156.82,148.54 156.82,148.34 158.88,146.28 158.88,143.97 v1(160.91,141.94)
LED control: length 247.8
  Top w0.25: 173.74,124.16 174.37,124.16 174.63,124.41 U3.8
  Bottom w0.25: v1(173.7,124.16) 173.08,123.54 173.08,101.15 162.87,90.94 152.24,90.94 151.66,91.52 147.42,91.52 146.1,90.19 146.1,88.55 142.66,85.11 142.66,84.74 139.75,84.74 139.7,84.79 138.18,84.79 134.62,88.34 134.62,129.74 131.18,133.18 115.18,133.18 109.1,139.27 86.36,139.27 82.55,135.46 54.23,135.46 50.42,131.65 49.28,131.65 45.47,127.84 30.86,127.84 24.89,121.87 22.74,121.87 17.31,116.44 15.75,116.44
MISO: length 153.5
  Top w0.25: U3.10 178.75,126.86 178.75,121.03 164.72,107.01 164.72,105.24 171.98,97.98 171.98,86.33 160.66,75 v1(160.66,74.37) ; 174.31,131.3 171.72,131.3 162.99,140.02 162.99,140.84 162.3,141.53 162.3,144.03 159.52,146.81 159.52,148.72 159.08,149.16 158.05,149.16 156.87,150.35 135.67,150.35 135.15,149.83 132.02,149.83 130.51,151.34 130.51,153.65 130,154.16 128.38,154.16 124.7,157.83 124.03,157.83 MISO.1
  Bottom w0.25: v1(160.66,74.37) 158.6,74.37 151.53,67.31
MOSI: length 142.2
  Top w0.25: U3.11 172.5,133.52 v1(172.47,133.55) 170.07,133.55 163.42,140.2 163.42,141.02 162.73,141.71 162.73,144.21 159.95,146.99 159.95,148.9 159.26,149.59 158.23,149.59 157.05,150.78 135.48,150.78 134.96,150.26 133.78,150.26 132.93,151.11 132.93,153.87 132.22,154.59 128.56,154.59 124.59,158.55 MOSI.1
  In2.Cu w0.25: v1(172.47,133.55) 172.47,132.41 174.5,130.38 174.5,122.76 173.48,121.74 173.48,103.84 166.7,97.05 166.7,90.75 167.55,89.9 167.55,87.23 156.24,75.92 156.24,67.31
OLED RST: length 58.6
  In1.Cu w0.25: v1(163.45,111.58) 165.3,109.73 165.3,68.41 166.4,67.31
  Bottom w0.25: v1(163.45,111.58) 163.4,111.53 163.25,111.53 163.15,111.63 154.87,111.63 152.25,109.01 U1.53
Rot 0 A: length 199.3
  In2.Cu w0.25: v1(147.5,90.5) 147.5,91.03 145.67,92.86 145.67,121.74 144.78,122.63 144.78,133.3 140.08,138 137.45,138 135.61,136.16 102.3,136.16 98.49,139.97 80.21,139.97 78.07,137.83 68.8,137.83 65.18,134.22 45.37,134.22 42.13,130.98 18.33,130.98 13.85,135.46 13.85,140.63 S1.A
  Bottom w0.25: v1(147.5,90.5) 149.33,90.5 151.75,88.08 U2.52
Rot 0 B: length 193.3
  In2.Cu w0.25: v1(151.2,89.64) 150.88,89.96 149.2,89.96 146.12,93.05 146.12,121.93 145.23,122.82 145.23,133.49 140.27,138.45 137.23,138.45 135.39,136.61 102.48,136.61 98.67,140.42 80.02,140.42 77.88,138.28 68.61,138.28 65,134.67 45.19,134.67 41.94,131.43 18.51,131.43 15.24,134.7 S1.B
  Bottom w0.25: v1(151.2,89.64) 152.25,88.6 U2.53
Rot 0 G: length 152.4
  Top w0.25: v1(155.83,107.52) 146.12,117.23 146.12,132.47 138.94,139.65 119.51,139.65 118.25,138.39 105.66,138.39 102.1,141.95 65.54,141.95 59.7,136.1 41.52,136.1 36.06,141.56 33.82,141.56
  Bottom w0.25: U1.2 155.28,106.97 v1(155.83,107.52)
Rot 0 R: length 154.8
  Top w0.25: v1(156.6,106.88) 156.6,107.78 156.13,108.24 155.74,108.24 153.6,110.38 153.58,110.38 146.57,117.39 146.57,132.66 139.13,140.1 119.32,140.1 118.06,138.84 105.84,138.84 102.29,142.4 65.36,142.4 59.51,136.55 41.71,136.55 34.67,143.59
  Bottom w0.25: v1(156.6,106.88) 156.6,106.76 156.3,106.47 U1.3
Rot 0 U: length 162.9
  Top w0.25: v1(158.98,106.76) 158.98,107.37 158.63,107.72 157.76,107.72 157.46,107.42 157.46,106.71 156.85,106.1 153.19,106.1 151.01,108.28 151.01,111.2 145.67,116.54 145.67,132.28 138.76,139.2 137.09,139.2 134.56,136.67 119.7,136.67 118.43,137.94 105.47,137.94 101.92,141.5 65.73,141.5 59.89,135.65 41.36,135.65 39.53,137.49 33.81,137.49
  Bottom w0.25: v1(158.98,106.76) 158.08,106.76 156.79,105.47 U1.5
Rot 1 A: length 180.8
  In2.Cu w0.25: S2.A 40.6,146.51 40.6,142.14 46.72,136.02 64.44,136.02 68.05,139.63 77.33,139.63 79.46,141.77 99.23,141.77 103.04,137.96 116.29,137.96 118.76,140.42 140.2,140.42 146.58,134.04 146.58,127.33 147.47,126.44 147.47,93.61 148.29,92.79 153.04,92.79 155.83,89.99 v1(155.83,89.48)
  Bottom w0.25: v1(155.83,89.48) 155.58,89.74 154.3,89.74 152.75,88.19 U2.54
Rot 1 B: length 172.1
  In2.Cu w0.25: S2.B 46.54,135.57 64.63,135.57 68.24,139.18 77.51,139.18 79.65,141.32 99.05,141.32 102.86,137.51 116.48,137.51 118.94,139.97 140.02,139.97 146.13,133.86 146.13,123.9 147.02,123.01 147.02,93.42 149.58,90.86 152.3,90.86 154.18,88.99 v1(154.57,88.99)
  Bottom w0.25: v1(154.57,88.99) 153.75,88.16 U2.56
Rot 1 G: length 127.1
  Top w0.25: v1(156.14,109.46) 155.88,109.19 155.4,109.19 153.78,110.81 153.75,110.81 147.02,117.55 147.02,132.84 139.31,140.55 119.14,140.55 117.88,139.29 106.03,139.29 102.47,142.84 65.01,142.84 63.76,144.09 57.31,144.09
  Bottom w0.25: v1(156.14,109.46) 155.64,109.95 154.66,109.95 153.75,109.04 U1.56
Rot 1 R: length 129.2
  Top w0.25: 58.17,150.06 63.26,144.97 64.12,144.97 65.29,143.8 71.85,143.8 71.85,143.74 71.87,143.72 102.89,143.72 106.45,140.17 117.51,140.17 118.77,141.43 139.68,141.43 147.9,133.21 147.9,124.25 148.52,123.62 148.52,122.67 v1(148.17,122.32) ; v1(155.68,110.86) 154.78,111.76 154.02,111.76 147.93,117.85 v1(148.17,118.1)
  Bottom w0.25: v1(148.17,118.1) 147.46,118.82 147.46,121.61 v1(148.17,122.32) ; U1.54 152.75,108.8 154.33,110.38 155.2,110.38 v1(155.68,110.86)
Rot 1 U: length 130.9
  Top w0.25: 57.31,148.16 58.55,148.16 62.16,144.54 63.94,144.54 65.19,143.29 102.66,143.29 106.22,139.74 117.69,139.74 118.95,141 139.5,141 147.47,133.03 147.47,117.7 153.93,111.24 153.96,111.24 155.04,110.16 156.64,110.16 v1(157.38,109.43)
  Bottom w0.25: U1.1 155.13,107.47 155.13,107.81 155.54,108.22 156.12,108.22 156.54,107.81 156.68,107.81 157.38,108.5 v1(157.38,109.43)
Rot 2 A: length 149.1
  In1.Cu w0.25: v1(155.71,87.84) 155.7,87.84 154.05,86.19 154.05,85.67 153.23,84.85 146.69,84.85 144.6,86.94 140.33,86.94 139.57,87.71 138.05,87.71 136.72,89.03 136.72,92.46 129.35,99.84 102.42,99.84 99.12,103.14 85.15,103.14 80.84,107.45 80.84,134.88 72.2,143.53 67.92,143.53 63.38,148.07 63.38,152.43 S3.A
  Bottom w0.25: v1(155.71,87.84) 155.93,87.62 155.93,85.98 155.07,85.11 U2.1
Rot 2 B: length 146.4
  In1.Cu w0.25: v1(156.65,85.81) 156.93,85.54 156.93,84.4 145.42,84.4 144.91,83.9 141.35,83.9 139.07,86.18 136.78,86.18 136.27,86.69 136.27,92.28 129.16,99.39 102.24,99.39 98.94,102.69 84.97,102.69 80.39,107.26 80.39,134.7 72.01,143.08 67.73,143.08 S3.B
  Bottom w0.25: U2.2 155.18,84.61 156.36,85.8 156.36,85.81 v1(156.65,85.81)
Rot 2 G: length 113.1
  Top w0.25: v1(158.12,108.79) 158.12,109.7 155.63,112.19 154.19,112.19 149.79,116.6 149.79,122.86 149.26,123.38 149.26,132.48 147.25,134.49 147.22,134.49 139.86,141.86 119.08,141.86 119,141.94 118.67,141.94 118.6,141.86 118.6,141.86 117.42,140.68 106.61,140.68 103.13,144.15 88.62,144.15 83.26,149.51 80.14,149.51
  In2.Cu w0.25: v1(158.12,108.79) 158.12,105.55 v1(158.32,105.35)
  Bottom w0.25: v1(158.32,105.35) 157.44,104.47 U1.7
Rot 2 R: length 126.3
  Top w0.25: Rs7.1 91.14,145.01 103.49,145.01 106.96,141.54 116.95,141.54 118.21,142.8 140.24,142.8 144.94,138.1 152.58,138.1 v1(152.98,137.69)
  Bottom w0.25: U1.8 157.97,103.97 161.87,107.87 161.87,108.43 164.78,111.34 164.78,114.67 162.38,117.08 162.38,128.46 153.14,137.69 v1(152.98,137.69)
Rot 2 U: length 115.6
  Top w0.25: v1(159.04,110.85) 159.32,111.13 159.32,111.9 156.22,115 156.22,115.03 152.22,119.04 152.22,121.71 149.69,124.23 149.69,132.74 140.07,142.37 118.38,142.37 117.12,141.11 106.78,141.11 103.31,144.58 89.86,144.58 80.44,154 80.39,154
  Bottom w0.25: U1.6 154.59,104.93 156.9,104.93 158.03,106.05 159.27,106.05 159.69,106.46 159.69,107.05 159.59,107.14 159.59,108.92 159.04,109.47 v1(159.04,110.85)
Rot 3 A: length 41.9
  Bottom w0.25: S4.A 173.85,60.42 171.2,63.07 171.2,64.34 169.86,65.68 165.8,65.68 165.1,66.37 165.1,80.34 161.33,84.11 U2.3
Rot 3 B: length 39.1
  Bottom w0.25: S4.B 170.64,63.88 169.29,65.23 163.32,65.23 162.69,65.86 162.69,68.15 164.65,70.11 164.65,80.16 161.14,83.66 155.84,83.66 155.29,83.11 U2.5
Rot 3 G: length 66.6
  Top w0.25: v1(160.58,104.9) 163.79,104.9 171.08,97.6 171.08,86.7 160.91,76.53 158.24,76.53 157.61,75.89 157.61,66.37 156.09,64.85 Rs11.1
  Bottom w0.25: U1.10 158.27,102.97 160.19,104.9 v1(160.58,104.9)
Rot 3 R: length 65.6
  Top w0.25: 154.31,59.12 154.1,59.32 154.1,65.28 155.07,66.24 155.07,68.43 157.16,70.52 157.16,76.08 158.06,76.98 160.73,76.98 170.63,86.89 170.63,97.42 165.03,103.02 v1(163.71,103.02)
  Bottom w0.25: U1.12 158.82,101.97 159.87,103.02 v1(163.71,103.02)
Rot 3 U: length 65.8
  Top w0.25: v1(164.02,105.56) 164.02,105.33 171.53,97.82 171.53,97.41 171.55,97.39 171.55,86.51 165.64,80.59 165.64,80.59 165.64,80.59 159.84,74.8 159.84,65.2 158.07,63.42 158.07,59.32 157.86,59.12
  Bottom w0.25: v1(164.02,105.56) 163.84,105.38 162.13,105.38 161.88,105.64 160.33,105.64 158.16,103.47 U1.9
Rot 4 A: length 67.8
  In2.Cu w0.25: RSW1.A 149.7,122.69 149.7,119.46 150.23,118.93 151.52,118.93 154.78,115.67 164.3,115.67 165.82,114.16 165.82,88.85 165.32,88.35 165.32,86.25 160.93,81.85 v1(160.47,81.85)
  Bottom w0.25: v1(160.47,81.85) 159.09,83.24 156.02,83.24 155.4,82.61 U2.6
Rot 4 B: length 68.5
  In1.Cu w0.25: v1(159.06,81.85) 159.06,81.46 158.53,80.93 158.53,78.65 159.6,77.58 161.18,77.58 162.36,78.76 162.36,95.88 159.76,98.48 159.76,105.07 161.01,106.32 161.01,112.07 157.47,115.62 v1(157.47,122.86)
  In2.Cu w0.25: RSW1.B 157.47,124.2 v1(157.47,122.86)
  Bottom w0.25: U2.7 155.51,82.11 156.2,82.81 158.71,82.81 159.06,82.45 v1(159.06,81.85)
Rot 5 A: length 87
  In1.Cu w0.25: RSW2.A 131.76,146.57 145.7,132.63 145.7,103.55 148.04,101.21 150.56,101.21 158.09,93.68 158.09,81.83 157.66,81.4 156.98,81.4 v1(156.38,81.99)
  Bottom w0.25: U2.8 155.61,81.61 155.99,81.99 v1(156.38,81.99)
Rot 5 B: length 98.5
  In1.Cu w0.25: v1(157.35,82.1) 157.35,89.43 155.93,90.86 149.33,90.86 148.98,91.2 146.02,91.2 143.74,88.93 142.16,88.93 141.89,89.19 138.09,89.19 137.15,90.13 137.15,92.67 134.75,95.07 134.75,141.05 129.22,146.58 RSW2.B
  Bottom w0.25: U2.9 156.5,81.11 157.35,81.97 v1(157.35,82.1)
RSw 0: length 198.9
  In2.Cu w0.25: S1.3 28.83,139.52 28.07,138.76 28.07,133.55 29.75,131.88 41.76,131.88 45,135.12 64.81,135.12 68.43,138.73 77.7,138.73 79.84,140.87 98.86,140.87 102.67,137.06 116.67,137.06 119.13,139.52 139.83,139.52 145.68,133.67 145.68,123 146.57,122.11 146.57,93.23 149.39,90.41 152.12,90.41 155.9,86.63 155.9,86.02 155.32,85.44 155.32,77.42 v1(154.94,77.04)
  Bottom w0.25: v1(154.94,77.04) 154.05,77.04 153.75,77.34 U2.15
RSw 1: length 157.7
  In1.Cu w0.25: v1(154.56,76.02) 154.56,74.75 154.05,74.24 153.55,74.24 153.04,74.75 153.04,77.42 151.84,78.62 147.01,78.62 144.72,80.91 141.7,80.91 140.59,82.02 140.59,83.39 138.7,85.28 136.41,85.28 135.37,86.32 135.37,91.91 128.79,98.49 101.87,98.49 98.56,101.79 84.59,101.79 79.49,106.89 79.49,134.35 75.09,138.76 75.06,138.76 71.64,142.18 67.19,142.18 64.21,145.17 62.3,145.17 61.34,146.13 S2.3
  Bottom w0.25: v1(154.56,76.02) 153.55,76.02 152.75,76.82 U2.17
RSw 2: length 178.9
  In1.Cu w0.25: v1(153.8,75.26) 153.8,77.29 152.02,79.07 147.2,79.07 142.82,83.45 141.17,83.45 138.88,85.73 136.6,85.73 135.82,86.5 135.82,92.09 128.98,98.94 102.05,98.94 98.75,102.24 84.78,102.24 79.94,107.08 79.94,134.51 71.83,142.63 67.38,142.63 64.39,145.62 62.61,145.62 57.79,150.44 57.79,156.79 59.57,158.57 62.87,158.57 67.95,153.49 69.73,153.49 71.25,151.97 S3.3
  Bottom w0.25: v1(153.8,75.26) 153.55,75.26 152.25,76.56 U2.18
RSw 3: length 32.5
  In2.Cu w0.25: v1(152.2,75.61) 152.53,75.28 152.53,62.81 161.14,54.21 S4.3
  Bottom w0.25: U2.19 151.75,76.06 v1(152.2,75.61)
RSw 4: length 68.8
  In1.Cu w0.25: RSW1.S1 158.46,123.67 160.17,121.96 160.17,113.52 162.79,110.91 162.79,80.85 v1(163.19,80.44)
  Bottom w0.25: v1(163.19,80.44) 163.38,80.25 163.38,79.76 157.73,74.11 151.71,74.11 149.25,76.58 U2.24
RSw 5: length 108.8
  In1.Cu w0.25: v1(148.03,74.59) 148.03,73.9 147.63,73.5 146.51,73.5 145.74,74.27 145.74,79.28 144.54,80.48 140.31,80.48 134.94,85.85 134.94,89.68 134.9,89.72 134.9,91.77 129.37,97.3 128.9,97.3 v1(128.42,96.82) ; RSW2.S1 133.57,154.17 131.11,154.17 130.46,153.52 130.46,147.13 135.45,142.14 v1(135.45,134.9)
  In2.Cu w0.25: v1(128.42,96.82) 128.42,96.3 128.87,95.85 129.74,95.85 135.47,101.58 135.47,134.88 v1(135.45,134.9)
  Bottom w0.25: U2.25 148.75,76.05 148.03,75.33 v1(148.03,74.59)
SCK: length 141.7
  Top w0.25: U3.9 172.5,128.44 v1(172.47,128.47)
  In1.Cu w0.25: SCK.1 118.49,158.78 122.25,155.02 134.75,155.02 146.33,143.43 155.98,143.43 156.64,142.77 157.2,142.77 160.2,139.78 160.2,138.2 169.93,128.47 v1(172.47,128.47)
  In2.Cu w0.25: v1(172.47,128.47) 172.34,128.35 172.34,126.8 172.79,126.35 172.79,122.83 172.56,122.59 172.56,103.54 166.25,97.23 166.25,90.37 167.1,89.52 167.1,87.41 153.7,74.02 153.7,67.31
SCL: length 179.4
  Top w0.25: 158.15,128.44 v1(156.91,129.68) 154.69,131.9 154.69,136.98 152.64,139.03 152.64,144.8 ; 152.64,144.8 147.96,149.49 136.02,149.49 135.51,148.97 127.53,148.97 125.4,151.1 125.4,154.25 123.01,156.64 117.12,156.64 SCL.1 ; 152.64,144.8 TRRS1.R2
  In2.Cu w0.25: v1(146.84,89.72) 146.4,89.72 145.24,90.88 145.24,115.72 141.35,119.61 141.35,125.91 v1(143.54,128.09)
  Bottom w0.25: U1.51 151.25,110.74 152.93,112.42 164.04,112.42 164.35,112.73 164.35,114.49 163.32,115.53 162.17,115.53 160.09,117.62 160.09,122.57 159.1,123.56 159.09,123.56 156.91,125.73 v1(156.91,129.68) 156.91,132.91 155.93,133.88 155.27,133.88 154.46,133.07 154.46,130.58 153.8,129.92 145.37,129.92 v1(143.54,128.09) ; U2.51 151.25,87.39 148.92,89.72 v1(146.84,89.72)
